# KiCad board kikit_panel.kicad_pcb (continued)
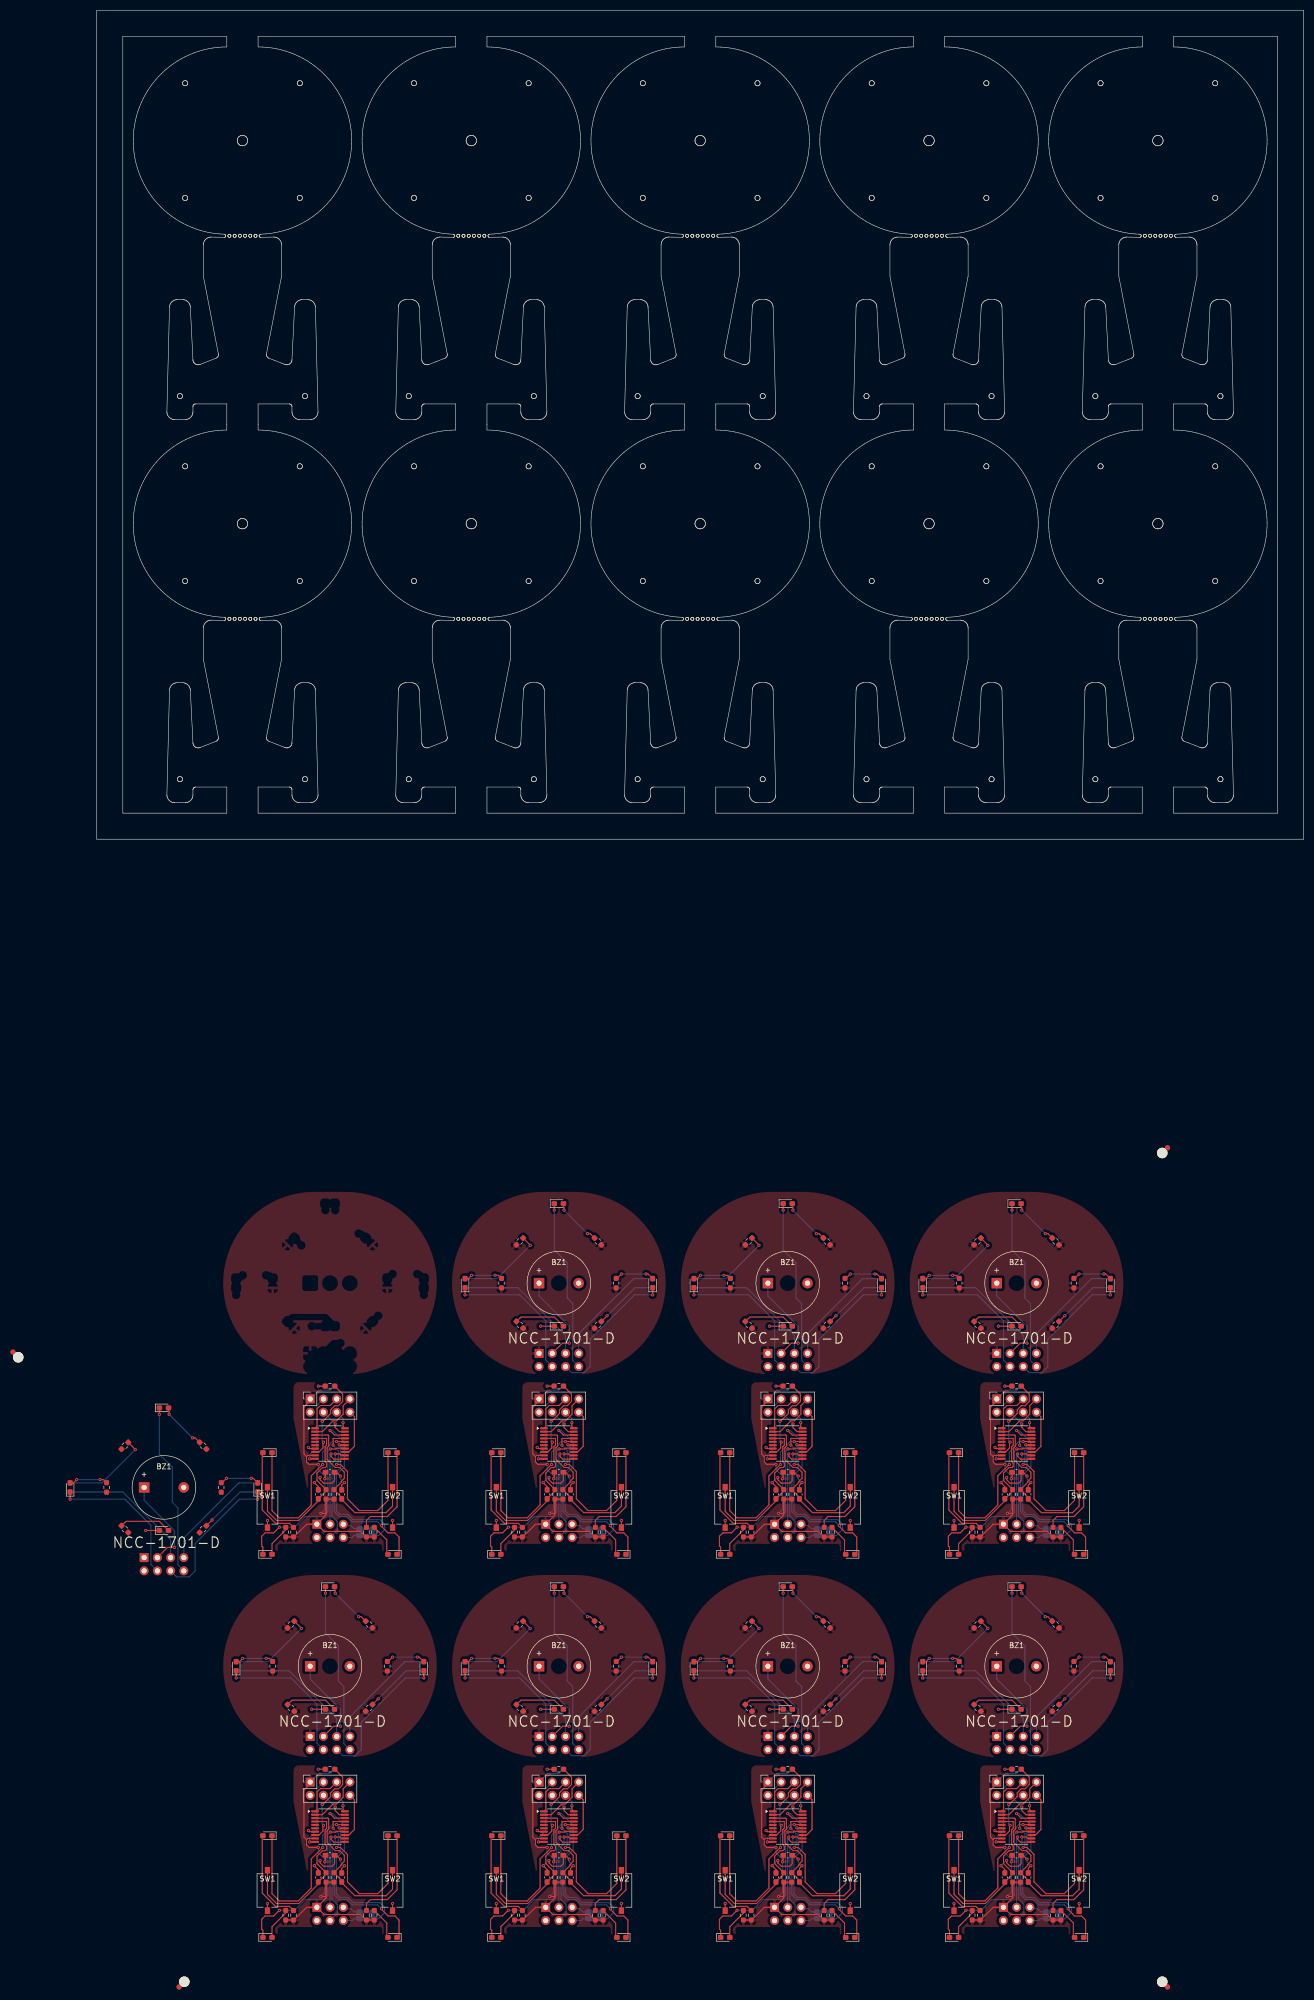
[diagram p0: board, top side]
## Placement (name value [footprint] x y rotation side) (continued)
R9  10k  [R_0603_1608Metric_Pad0.98x0.95mm_HandSolder]  44 -199.09 90 top
R9#2  10k  [R_0603_1608Metric_Pad0.98x0.95mm_HandSolder]  131.83 -199.09 90 top
R9#3  10k  [R_0603_1608Metric_Pad0.98x0.95mm_HandSolder]  87.92 -199.09 90 top
R9#4  10k  [R_0603_1608Metric_Pad0.98x0.95mm_HandSolder]  44 -125.63 90 top
R9#5  10k  [R_0603_1608Metric_Pad0.98x0.95mm_HandSolder]  175.74 -199.09 90 top
R9#6  10k  [R_0603_1608Metric_Pad0.98x0.95mm_HandSolder]  131.83 -125.63 90 top
R9#7  10k  [R_0603_1608Metric_Pad0.98x0.95mm_HandSolder]  87.92 -125.63 90 top
R9#8  10k  [R_0603_1608Metric_Pad0.98x0.95mm_HandSolder]  175.74 -125.63 90 top
R10  330  [R_0603_1608Metric_Pad0.98x0.95mm_HandSolder]  33.75 -158.59 90 top
R10#2  330  [R_0603_1608Metric_Pad0.98x0.95mm_HandSolder]  1.89 -124.3 90 top
R10#3  330  [R_0603_1608Metric_Pad0.98x0.95mm_HandSolder]  121.58 -85.13 90 top
R10#4  330  [R_0603_1608Metric_Pad0.98x0.95mm_HandSolder]  165.49 -85.13 90 top
R10#5  330  [R_0603_1608Metric_Pad0.98x0.95mm_HandSolder]  165.49 -158.59 90 top
R10#6  330  [R_0603_1608Metric_Pad0.98x0.95mm_HandSolder]  77.67 -85.13 90 top
R10#7  330  [R_0603_1608Metric_Pad0.98x0.95mm_HandSolder]  77.67 -158.59 90 top
R10#8  330  [R_0603_1608Metric_Pad0.98x0.95mm_HandSolder]  121.58 -158.59 90 top
R11  330  [R_0603_1608Metric_Pad0.98x0.95mm_HandSolder]  99.67 -158.59 90 top
R11#2  330  [R_0603_1608Metric_Pad0.98x0.95mm_HandSolder]  99.67 -85.13 90 top
R11#3  330  [R_0603_1608Metric_Pad0.98x0.95mm_HandSolder]  187.49 -85.13 90 top
R11#4  330  [R_0603_1608Metric_Pad0.98x0.95mm_HandSolder]  55.75 -158.59 90 top
R11#5  330  [R_0603_1608Metric_Pad0.98x0.95mm_HandSolder]  143.58 -85.13 90 top
R11#6  330  [R_0603_1608Metric_Pad0.98x0.95mm_HandSolder]  187.49 -158.59 90 top
R11#7  330  [R_0603_1608Metric_Pad0.98x0.95mm_HandSolder]  143.58 -158.59 90 top
R11#8  330  [R_0603_1608Metric_Pad0.98x0.95mm_HandSolder]  23.89 -124.3 90 top
R12  330  [R_0603_1608Metric_Pad0.98x0.95mm_HandSolder]  168.99 -77.13 45 top
R12#2  330  [R_0603_1608Metric_Pad0.98x0.95mm_HandSolder]  168.99 -150.59 45 top
R12#3  330  [R_0603_1608Metric_Pad0.98x0.95mm_HandSolder]  81.17 -150.59 45 top
R12#4  330  [R_0603_1608Metric_Pad0.98x0.95mm_HandSolder]  37.25 -150.59 45 top
R12#5  330  [R_0603_1608Metric_Pad0.98x0.95mm_HandSolder]  5.39 -116.3 45 top
R12#6  330  [R_0603_1608Metric_Pad0.98x0.95mm_HandSolder]  125.08 -77.13 45 top
R12#7  330  [R_0603_1608Metric_Pad0.98x0.95mm_HandSolder]  81.17 -77.13 45 top
R12#8  330  [R_0603_1608Metric_Pad0.98x0.95mm_HandSolder]  125.08 -150.59 45 top
R13  330  [R_0603_1608Metric_Pad0.98x0.95mm_HandSolder]  140.08 -93.13 45 top
R13#2  330  [R_0603_1608Metric_Pad0.98x0.95mm_HandSolder]  183.99 -166.59 45 top
R13#3  330  [R_0603_1608Metric_Pad0.98x0.95mm_HandSolder]  96.17 -93.13 45 top
R13#4  330  [R_0603_1608Metric_Pad0.98x0.95mm_HandSolder]  52.25 -166.59 45 top
R13#5  330  [R_0603_1608Metric_Pad0.98x0.95mm_HandSolder]  183.99 -93.13 45 top
R13#6  330  [R_0603_1608Metric_Pad0.98x0.95mm_HandSolder]  140.08 -166.59 45 top
R13#7  330  [R_0603_1608Metric_Pad0.98x0.95mm_HandSolder]  20.39 -132.3 45 top
R13#8  330  [R_0603_1608Metric_Pad0.98x0.95mm_HandSolder]  96.17 -166.59 45 top
SW1  SW_Push  [SW_Tactile_SPST_NO_Straight_CK_PTS636Sx25SMTRLFS]  164.49 -128.13 270 top
SW1#2  SW_Push  [SW_Tactile_SPST_NO_Straight_CK_PTS636Sx25SMTRLFS]  76.67 -128.13 270 top
SW1#3  SW_Push  [SW_Tactile_SPST_NO_Straight_CK_PTS636Sx25SMTRLFS]  76.67 -201.59 270 top
SW1#4  SW_Push  [SW_Tactile_SPST_NO_Straight_CK_PTS636Sx25SMTRLFS]  120.58 -201.59 270 top
SW1#5  SW_Push  [SW_Tactile_SPST_NO_Straight_CK_PTS636Sx25SMTRLFS]  32.75 -128.13 270 top
SW1#6  SW_Push  [SW_Tactile_SPST_NO_Straight_CK_PTS636Sx25SMTRLFS]  120.58 -128.13 270 top
SW1#7  SW_Push  [SW_Tactile_SPST_NO_Straight_CK_PTS636Sx25SMTRLFS]  32.75 -201.59 270 top
SW1#8  SW_Push  [SW_Tactile_SPST_NO_Straight_CK_PTS636Sx25SMTRLFS]  164.49 -201.59 270 top
SW2  SW_Push  [SW_Tactile_SPST_NO_Straight_CK_PTS636Sx25SMTRLFS]  100.67 -128.13 270 top
SW2#2  SW_Push  [SW_Tactile_SPST_NO_Straight_CK_PTS636Sx25SMTRLFS]  144.58 -201.59 270 top
SW2#3  SW_Push  [SW_Tactile_SPST_NO_Straight_CK_PTS636Sx25SMTRLFS]  56.75 -201.59 270 top
SW2#4  SW_Push  [SW_Tactile_SPST_NO_Straight_CK_PTS636Sx25SMTRLFS]  188.49 -201.59 270 top
SW2#5  SW_Push  [SW_Tactile_SPST_NO_Straight_CK_PTS636Sx25SMTRLFS]  56.75 -128.13 270 top
SW2#6  SW_Push  [SW_Tactile_SPST_NO_Straight_CK_PTS636Sx25SMTRLFS]  100.67 -201.59 270 top
SW2#7  SW_Push  [SW_Tactile_SPST_NO_Straight_CK_PTS636Sx25SMTRLFS]  188.49 -128.13 270 top
SW2#8  SW_Push  [SW_Tactile_SPST_NO_Straight_CK_PTS636Sx25SMTRLFS]  144.58 -128.13 270 top
U1  CH32V003FxPx  [TSSOP-20_4.4x6.5mm_P0.65mm]  176.49 -189.34 0 top
U1#2  CH32V003FxPx  [TSSOP-20_4.4x6.5mm_P0.65mm]  88.67 -115.88 0 top
U1#3  CH32V003FxPx  [TSSOP-20_4.4x6.5mm_P0.65mm]  88.67 -189.34 0 top
U1#4  CH32V003FxPx  [TSSOP-20_4.4x6.5mm_P0.65mm]  176.49 -115.88 0 top
U1#5  CH32V003FxPx  [TSSOP-20_4.4x6.5mm_P0.65mm]  44.75 -115.88 0 top
U1#6  CH32V003FxPx  [TSSOP-20_4.4x6.5mm_P0.65mm]  132.58 -189.34 0 top
U1#7  CH32V003FxPx  [TSSOP-20_4.4x6.5mm_P0.65mm]  44.75 -189.34 0 top
U1#8  CH32V003FxPx  [TSSOP-20_4.4x6.5mm_P0.65mm]  132.58 -115.88 0 top

## Library data of the parts
BZ1 BZ1#2-BZ1#8 = -: Description: Buzzer, polarized
C1 C1#2-C1#8 C2 C2#2-C2#8 C3 C3#2-C3#8 = -: Description: Unpolarized capacitor
D1 D1#2-D1#8 D2 D2#2-D2#8 D3 D3#2-D3#8 D4 D4#2-D4#8 D5 D5#2-D5#8 D6 D6#2-D6#8 D7 D7#2-D7#8 D8 D8#2-D8#8 D9 D9#2-D9#8 D10 D10#2-D10#8 D11 D11#2-D11#8 = -: Description: Light emitting diode
J1 J1#2-J1#8 J4 J4#2-J4#8 = -: Description: Generic connector, double row, 02x04, odd/even pin numbering scheme (row 1 odd numbers, row 2 even numbers), script generated (kicad-library-utils/schlib/autogen/connector/)
J3 J3#2-J3#8 = -: Description: Generic connector, single row, 01x02, script generated
J5 J5#2-J5#8 = -: Description: Generic connector, double row, 02x03, odd/even pin numbering scheme (row 1 odd numbers, row 2 even numbers), script generated (kicad-library-utils/schlib/autogen/connector/)
JP1 JP1#2-JP1#8 = -: Description: Jumper, 2-pole, closed/bridged
R1 R1#2-R1#8 R2 R2#2-R2#8 R3 R3#2-R3#8 R4 R4#2-R4#8 R5 R5#2-R5#8 R6 R6#2-R6#8 R7 R7#2-R7#8 R8 R8#2-R8#8 R9 R9#2-R9#8 R10 R10#2-R10#8 R11 R11#2-R11#8 R12 R12#2-R12#8 R13 R13#2-R13#8 = -: Description: Resistor
SW1 SW1#2-SW1#8 SW2 SW2#2-SW2#8 = -: Description: Push button switch, generic, two pins
U1 U1#2-U1#8 = -: Datasheet: https://www.wch-ic.com/products/CH32V003.html; Description: CH32V003 series are industrial-grade general-purpose microcontrollers designed based on 32-bit RISC-V instruction set and architecture. It adopts QingKe V2A core, RV32EC instruction set, and supports 2 levels of interrupt nesting. The series are mounted with rich peripheral interfaces and function modules. Its internal organizational structure meets the low-cost and low-power embedded application scenarios.

## Footprints (pads in the part's own frame, mm; a bottom-side part is the same pattern mirrored in y, then rotated)
Buzzer_12x9.5RM7.6
  rect 2x2 hole 1: 1(0,0)
  round 2 hole 1: 2(7.6,0)
C_0603_1608Metric_Pad1.08x0.95mm_HandSolder
  rrect 1.075x0.95 smd: 1(-0.863,0) 2(0.863,0)
Fiducial
  round 1 smd: (0,0)
LED_0603_1608Metric_Pad1.05x0.95mm_HandSolder
  rrect 1.05x0.95 smd: 1(-0.875,0) 2(0.875,0)
NPTH
  round 2 hole 2 unplated: (0,0)
PinHeader_2x03_P2.54mm_Vertical
  rect 1.7x1.7 hole 1: 1(0,0)
  oval 1.7x1.7 hole 1: 2(2.54,0) 3(0,-2.54) 4(2.54,-2.54) 5(0,-5.08) 6(2.54,-5.08)
PinHeader_2x04_P2.54mm_Vertical
  rect 1.7x1.7 hole 1: 1(0,0)
  oval 1.7x1.7 hole 1: 2(2.54,0) 3(0,-2.54) 4(2.54,-2.54) 5(0,-5.08) 6(2.54,-5.08) 7(0,-7.62) 8(2.54,-7.62)
PinSocket_2x04_P2.54mm_Vertical
  rect 1.7x1.7 hole 1: 1(0,0)
  oval 1.7x1.7 hole 1: 2(-2.54,0) 3(0,-2.54) 4(-2.54,-2.54) 5(0,-5.08) 6(-2.54,-5.08) 7(0,-7.62) 8(-2.54,-7.62)
R_0603_1608Metric_Pad0.98x0.95mm_HandSolder
  rrect 0.975x0.95 smd: 1(-0.912,0) 2(0.912,0)
SolderJumper-2_P1.3mm_Bridged_RoundedPad1.0x1.5mm
  custom 1x1.5 smd: 1(-0.65,0) 2(0.65,0)
SolderJumper-2_P1.3mm_Open_RoundedPad1.0x1.5mm
  custom 1x1.5 smd: 1(-0.65,0) 2(0.65,0)
SW_Tactile_SPST_NO_Straight_CK_PTS636Sx25SMTRLFS
  rect 1.25x1 smd: 1(-3.875,0) 2(3.875,0)
TSSOP-20_4.4x6.5mm_P0.65mm
  rrect 1.475x0.4 smd: 1(-2.862,2.925) 2(-2.862,2.275) 3(-2.862,1.625) 4(-2.862,0.975) 5(-2.862,0.325) 6(-2.862,-0.325) 7(-2.862,-0.975) 8(-2.862,-1.625) 9(-2.862,-2.275) 10(-2.862,-2.925) 11(2.862,-2.925) 12(2.862,-2.275) 13(2.862,-1.625) 14(2.862,-0.975) 15(2.862,-0.325) 16(2.862,0.325) 17(2.862,0.975) 18(2.862,1.625) 19(2.862,2.275) 20(2.862,2.925)

## Nets
Board_0-/blue gondeln left: D4#6.1 U1#5.14
Board_0-/blue gondeln right: D3#3.1 U1#5.15
Board_0-/blue_front: D5.1 J1#2.8 J4.8 U1#5.13
Board_0-/buzzer: BZ1#8.1 J1#2.3 J4.3 U1#5.10
Board_0-/GPIO1: J3#7.2 J5#2.5 JP1.1
Board_0-/GPIO2: J3#7.1 J5#2.6
Board_0-/LED dish bottom l: D10#3.1 J1#2.5 J4.5 U1#5.1
Board_0-/LED dish bottom r: D11#5.1 J1#2.7 J4.7 U1#5.2
Board_0-/LED dish top left: D8#4.1 J1#2.4 J4.4 U1#5.19
Board_0-/LED dish top right: D9#7.1 J1#2.6 J4.6 U1#5.20
Board_0-/red_gondeln_left: D6#8.1 U1#5.16
Board_0-/red_gondeln_right: D7#4.1 U1#5.17
Board_0-/SCL: J5#2.4 U1#5.12
Board_0-/SDA: J5#2.3 U1#5.11
Board_0-/sw1: C1#3.1 R9#4.2 SW1#5.1 U1#5.4
Board_0-/sw2: C2#3.1 R8#5.2 SW2#5.1 U1#5.3
Board_0-GND: BZ1#8.2 C1#3.2 C2#3.2 C3#5.2 D1.1 J1#2.2 J4.2 J5#2.2 SW1#5.2 SW2#5.2 U1#5.7
Board_0-Net-(D1-A): D1.2 R1#7.2
Board_0-Net-(D2-K): D2#8.1 R2#4.1
Board_0-Net-(D3-A): D3#3.2 R3#3.2
Board_0-Net-(D4-A): D4#6.2 R4#6.2
Board_0-Net-(D5-A): D5.2 R5#4.2
Board_0-Net-(D6-A): D6#8.2 R6#8.2
Board_0-Net-(D7-A): D7#4.2 R7#5.2
Board_0-Net-(D8-A): D8#4.2 R10#2.2
Board_0-Net-(D9-A): D9#7.2 R11#8.2
Board_0-Net-(D10-A): D10#3.2 R12#5.2
Board_0-Net-(D11-A): D11#5.2 R13#7.2
Board_0-Net-(JP1-B): JP1.2 U1#5.18
Board_0-Net-(U1-PD0): R2#4.2 U1#5.8
Board_0-unconnected-(U1-PA1-Pad5): U1#5.5
Board_0-unconnected-(U1-PA2-Pad6): U1#5.6
Board_0-VCC: C3#5.1 D2#8.2 J1#2.1 J4.1 J5#2.1 R1#7.1 R3#3.1 R4#6.1 R5#4.1 R6#8.1 R7#5.1 R8#5.1 R9#4.1 R10#2.1 R11#8.1 R12#5.1 R13#7.1 U1#5.9
Board_1-/blue gondeln left: D4#5.1 U1#2.14
Board_1-/blue gondeln right: D3#7.1 U1#2.15
Board_1-/blue_front: D5#2.1 J1#7.8 J4#2.8 U1#2.13
Board_1-/buzzer: BZ1#3.1 J1#7.3 J4#2.3 U1#2.10
Board_1-/GPIO1: J3#2.2 J5#6.5 JP1#3.1
Board_1-/GPIO2: J3#2.1 J5#6.6
Board_1-/LED dish bottom l: D10#5.1 J1#7.5 J4#2.5 U1#2.1
Board_1-/LED dish bottom r: D11#6.1 J1#7.7 J4#2.7 U1#2.2
Board_1-/LED dish top left: D8#5.1 J1#7.4 J4#2.4 U1#2.19
Board_1-/LED dish top right: D9.1 J1#7.6 J4#2.6 U1#2.20
Board_1-/red_gondeln_left: D6#5.1 U1#2.16
Board_1-/red_gondeln_right: D7.1 U1#2.17
Board_1-/SCL: J5#6.4 U1#2.12
Board_1-/SDA: J5#6.3 U1#2.11
Board_1-/sw1: C1#7.1 R9#7.2 SW1#2.1 U1#2.4
Board_1-/sw2: C2.1 R8#6.2 SW2.1 U1#2.3
Board_1-GND: BZ1#3.2 C1#7.2 C2.2 C3#2.2 D1#7.1 J1#7.2 J4#2.2 J5#6.2 SW1#2.2 SW2.2 U1#2.7
Board_1-Net-(D1-A): D1#7.2 R1.2
Board_1-Net-(D2-K): D2#2.1 R2#3.1
Board_1-Net-(D3-A): D3#7.2 R3#7.2
Board_1-Net-(D4-A): D4#5.2 R4#5.2
Board_1-Net-(D5-A): D5#2.2 R5#7.2
Board_1-Net-(D6-A): D6#5.2 R6#6.2
Board_1-Net-(D7-A): D7.2 R7#4.2
Board_1-Net-(D8-A): D8#5.2 R10#6.2
Board_1-Net-(D9-A): D9.2 R11#2.2
Board_1-Net-(D10-A): D10#5.2 R12#7.2
Board_1-Net-(D11-A): D11#6.2 R13#3.2
Board_1-Net-(JP1-B): JP1#3.2 U1#2.18
Board_1-Net-(U1-PD0): R2#3.2 U1#2.8
Board_1-unconnected-(U1-PA1-Pad5): U1#2.5
Board_1-unconnected-(U1-PA2-Pad6): U1#2.6
Board_1-VCC: C3#2.1 D2#2.2 J1#7.1 J4#2.1 J5#6.1 R1.1 R3#7.1 R4#5.1 R5#7.1 R6#6.1 R7#4.1 R8#6.1 R9#7.1 R10#6.1 R11#2.1 R12#7.1 R13#3.1 U1#2.9
Board_2-/blue gondeln left: D4#7.1 U1#8.14
Board_2-/blue gondeln right: D3#2.1 U1#8.15
Board_2-/blue_front: D5#4.1 J1.8 J4#5.8 U1#8.13
Board_2-/buzzer: BZ1#7.1 J1.3 J4#5.3 U1#8.10
Board_2-/GPIO1: J3#8.2 J5#3.5 JP1#4.1
Board_2-/GPIO2: J3#8.1 J5#3.6
Board_2-/LED dish bottom l: D10.1 J1.5 J4#5.5 U1#8.1
Board_2-/LED dish bottom r: D11#3.1 J1.7 J4#5.7 U1#8.2
Board_2-/LED dish top left: D8#2.1 J1.4 J4#5.4 U1#8.19
Board_2-/LED dish top right: D9#6.1 J1.6 J4#5.6 U1#8.20
Board_2-/red_gondeln_left: D6#3.1 U1#8.16
Board_2-/red_gondeln_right: D7#6.1 U1#8.17
Board_2-/SCL: J5#3.4 U1#8.12
Board_2-/SDA: J5#3.3 U1#8.11
Board_2-/sw1: C1#4.1 R9#6.2 SW1#6.1 U1#8.4
Board_2-/sw2: C2#5.1 R8#2.2 SW2#8.1 U1#8.3
Board_2-GND: BZ1#7.2 C1#4.2 C2#5.2 C3#6.2 D1#8.1 J1.2 J4#5.2 J5#3.2 SW1#6.2 SW2#8.2 U1#8.7
Board_2-Net-(D1-A): D1#8.2 R1#5.2
Board_2-Net-(D2-K): D2#3.1 R2#8.1
Board_2-Net-(D3-A): D3#2.2 R3.2
Board_2-Net-(D4-A): D4#7.2 R4#2.2
Board_2-Net-(D5-A): D5#4.2 R5#5.2
Board_2-Net-(D6-A): D6#3.2 R6.2
Board_2-Net-(D7-A): D7#6.2 R7#7.2
Board_2-Net-(D8-A): D8#2.2 R10#3.2
Board_2-Net-(D9-A): D9#6.2 R11#5.2
Board_2-Net-(D10-A): D10.2 R12#6.2
Board_2-Net-(D11-A): D11#3.2 R13.2
Board_2-Net-(JP1-B): JP1#4.2 U1#8.18
Board_2-Net-(U1-PD0): R2#8.2 U1#8.8
Board_2-unconnected-(U1-PA1-Pad5): U1#8.5
Board_2-unconnected-(U1-PA2-Pad6): U1#8.6
Board_2-VCC: C3#6.1 D2#3.2 J1.1 J4#5.1 J5#3.1 R1#5.1 R3.1 R4#2.1 R5#5.1 R6.1 R7#7.1 R8#2.1 R9#6.1 R10#3.1 R11#5.1 R12#6.1 R13.1 U1#8.9
Board_3-/blue gondeln left: D4#2.1 U1#4.14
Board_3-/blue gondeln right: D3#8.1 U1#4.15
Board_3-/blue_front: D5#6.1 J1#8.8 J4#6.8 U1#4.13
Board_3-/buzzer: BZ1#6.1 J1#8.3 J4#6.3 U1#4.10
Board_3-/GPIO1: J3#5.2 J5#7.5 JP1#7.1
Board_3-/GPIO2: J3#5.1 J5#7.6
Board_3-/LED dish bottom l: D10#2.1 J1#8.5 J4#6.5 U1#4.1
Board_3-/LED dish bottom r: D11.1 J1#8.7 J4#6.7 U1#4.2
Board_3-/LED dish top left: D8#7.1 J1#8.4 J4#6.4 U1#4.19
Board_3-/LED dish top right: D9#3.1 J1#8.6 J4#6.6 U1#4.20
Board_3-/red_gondeln_left: D6#2.1 U1#4.16
Board_3-/red_gondeln_right: D7#5.1 U1#4.17
Board_3-/SCL: J5#7.4 U1#4.12
Board_3-/SDA: J5#7.3 U1#4.11
Board_3-/sw1: C1.1 R9#8.2 SW1.1 U1#4.4
Board_3-/sw2: C2#4.1 R8#8.2 SW2#7.1 U1#4.3
Board_3-GND: BZ1#6.2 C1.2 C2#4.2 C3#3.2 D1#5.1 J1#8.2 J4#6.2 J5#7.2 SW1.2 SW2#7.2 U1#4.7
Board_3-Net-(D1-A): D1#5.2 R1#8.2
Board_3-Net-(D2-K): D2#4.1 R2#5.1
Board_3-Net-(D3-A): D3#8.2 R3#5.2
Board_3-Net-(D4-A): D4#2.2 R4#7.2
Board_3-Net-(D5-A): D5#6.2 R5#6.2
Board_3-Net-(D6-A): D6#2.2 R6#5.2
Board_3-Net-(D7-A): D7#5.2 R7#2.2
Board_3-Net-(D8-A): D8#7.2 R10#4.2
Board_3-Net-(D9-A): D9#3.2 R11#3.2
Board_3-Net-(D10-A): D10#2.2 R12.2
Board_3-Net-(D11-A): D11.2 R13#5.2
Board_3-Net-(JP1-B): JP1#7.2 U1#4.18
Board_3-Net-(U1-PD0): R2#5.2 U1#4.8
Board_3-unconnected-(U1-PA1-Pad5): U1#4.5
Board_3-unconnected-(U1-PA2-Pad6): U1#4.6
Board_3-VCC: C3#3.1 D2#4.2 J1#8.1 J4#6.1 J5#7.1 R1#8.1 R3#5.1 R4#7.1 R5#6.1 R6#5.1 R7#2.1 R8#8.1 R9#8.1 R10#4.1 R11#3.1 R12.1 R13#5.1 U1#4.9
Board_4-/blue gondeln left: D4#4.1 U1#7.14
Board_4-/blue gondeln right: D3#5.1 U1#7.15
Board_4-/blue_front: D5#3.1 J1#5.8 J4#7.8 U1#7.13
Board_4-/buzzer: BZ1#5.1 J1#5.3 J4#7.3 U1#7.10
Board_4-/GPIO1: J3#6.2 J5#4.5 JP1#8.1
Board_4-/GPIO2: J3#6.1 J5#4.6
Board_4-/LED dish bottom l: D10#8.1 J1#5.5 J4#7.5 U1#7.1
Board_4-/LED dish bottom r: D11#7.1 J1#5.7 J4#7.7 U1#7.2
Board_4-/LED dish top left: D8#6.1 J1#5.4 J4#7.4 U1#7.19
Board_4-/LED dish top right: D9#8.1 J1#5.6 J4#7.6 U1#7.20
Board_4-/red_gondeln_left: D6#7.1 U1#7.16
Board_4-/red_gondeln_right: D7#2.1 U1#7.17
Board_4-/SCL: J5#4.4 U1#7.12
Board_4-/SDA: J5#4.3 U1#7.11
Board_4-/sw1: C1#2.1 R9.2 SW1#7.1 U1#7.4
Board_4-/sw2: C2#2.1 R8.2 SW2#3.1 U1#7.3
Board_4-GND: BZ1#5.2 C1#2.2 C2#2.2 C3#7.2 D1#3.1 J1#5.2 J4#7.2 J5#4.2 SW1#7.2 SW2#3.2 U1#7.7
Board_4-Net-(D1-A): D1#3.2 R1#6.2
Board_4-Net-(D2-K): D2#7.1 R2.1
Board_4-Net-(D3-A): D3#5.2 R3#2.2
Board_4-Net-(D4-A): D4#4.2 R4#3.2
Board_4-Net-(D5-A): D5#3.2 R5.2
Board_4-Net-(D6-A): D6#7.2 R6#2.2
Board_4-Net-(D7-A): D7#2.2 R7#3.2
Board_4-Net-(D8-A): D8#6.2 R10.2
Board_4-Net-(D9-A): D9#8.2 R11#4.2
Board_4-Net-(D10-A): D10#8.2 R12#4.2
Board_4-Net-(D11-A): D11#7.2 R13#4.2
Board_4-Net-(JP1-B): JP1#8.2 U1#7.18
Board_4-Net-(U1-PD0): R2.2 U1#7.8
Board_4-unconnected-(U1-PA1-Pad5): U1#7.5
Board_4-unconnected-(U1-PA2-Pad6): U1#7.6
Board_4-VCC: C3#7.1 D2#7.2 J1#5.1 J4#7.1 J5#4.1 R1#6.1 R3#2.1 R4#3.1 R5.1 R6#2.1 R7#3.1 R8.1 R9.1 R10.1 R11#4.1 R12#4.1 R13#4.1 U1#7.9
Board_5-/blue gondeln left: D4#3.1 U1#3.14
Board_5-/blue gondeln right: D3.1 U1#3.15
Board_5-/blue_front: D5#5.1 J1#3.8 J4#8.8 U1#3.13
Board_5-/buzzer: BZ1.1 J1#3.3 J4#8.3 U1#3.10
Board_5-/GPIO1: J3#3.2 J5#8.5 JP1#6.1
Board_5-/GPIO2: J3#3.1 J5#8.6
Board_5-/LED dish bottom l: D10#4.1 J1#3.5 J4#8.5 U1#3.1
Board_5-/LED dish bottom r: D11#4.1 J1#3.7 J4#8.7 U1#3.2
Board_5-/LED dish top left: D8#8.1 J1#3.4 J4#8.4 U1#3.19
Board_5-/LED dish top right: D9#4.1 J1#3.6 J4#8.6 U1#3.20
Board_5-/red_gondeln_left: D6#6.1 U1#3.16
Board_5-/red_gondeln_right: D7#8.1 U1#3.17
Board_5-/SCL: J5#8.4 U1#3.12
Board_5-/SDA: J5#8.3 U1#3.11
Board_5-/sw1: C1#6.1 R9#3.2 SW1#3.1 U1#3.4
Board_5-/sw2: C2#7.1 R8#4.2 SW2#6.1 U1#3.3
Board_5-GND: BZ1.2 C1#6.2 C2#7.2 C3#8.2 D1#4.1 J1#3.2 J4#8.2 J5#8.2 SW1#3.2 SW2#6.2 U1#3.7
Board_5-Net-(D1-A): D1#4.2 R1#4.2
Board_5-Net-(D2-K): D2#6.1 R2#6.1
Board_5-Net-(D3-A): D3.2 R3#4.2
Board_5-Net-(D4-A): D4#3.2 R4.2
Board_5-Net-(D5-A): D5#5.2 R5#3.2
Board_5-Net-(D6-A): D6#6.2 R6#7.2
Board_5-Net-(D7-A): D7#8.2 R7#6.2
Board_5-Net-(D8-A): D8#8.2 R10#7.2
Board_5-Net-(D9-A): D9#4.2 R11.2
Board_5-Net-(D10-A): D10#4.2 R12#3.2
Board_5-Net-(D11-A): D11#4.2 R13#8.2
Board_5-Net-(JP1-B): JP1#6.2 U1#3.18
Board_5-Net-(U1-PD0): R2#6.2 U1#3.8
Board_5-unconnected-(U1-PA1-Pad5): U1#3.5
Board_5-unconnected-(U1-PA2-Pad6): U1#3.6
Board_5-VCC: C3#8.1 D2#6.2 J1#3.1 J4#8.1 J5#8.1 R1#4.1 R3#4.1 R4.1 R5#3.1 R6#7.1 R7#6.1 R8#4.1 R9#3.1 R10#7.1 R11.1 R12#3.1 R13#8.1 U1#3.9
Board_6-/blue gondeln left: D4.1 U1#6.14
Board_6-/blue gondeln right: D3#4.1 U1#6.15
Board_6-/blue_front: D5#7.1 J1#6.8 J4#3.8 U1#6.13
Board_6-/buzzer: BZ1#2.1 J1#6.3 J4#3.3 U1#6.10
Board_6-/GPIO1: J3.2 J5.5 JP1#2.1
Board_6-/GPIO2: J3.1 J5.6
Board_6-/LED dish bottom l: D10#6.1 J1#6.5 J4#3.5 U1#6.1
Board_6-/LED dish bottom r: D11#8.1 J1#6.7 J4#3.7 U1#6.2
Board_6-/LED dish top left: D8#3.1 J1#6.4 J4#3.4 U1#6.19
Board_6-/LED dish top right: D9#2.1 J1#6.6 J4#3.6 U1#6.20
Board_6-/red_gondeln_left: D6#4.1 U1#6.16
Board_6-/red_gondeln_right: D7#7.1 U1#6.17
Board_6-/SCL: J5.4 U1#6.12
Board_6-/SDA: J5.3 U1#6.11
Board_6-/sw1: C1#5.1 R9#2.2 SW1#4.1 U1#6.4
Board_6-/sw2: C2#6.1 R8#3.2 SW2#2.1 U1#6.3
Board_6-GND: BZ1#2.2 C1#5.2 C2#6.2 C3#4.2 D1#6.1 J1#6.2 J4#3.2 J5.2 SW1#4.2 SW2#2.2 U1#6.7
Board_6-Net-(D1-A): D1#6.2 R1#3.2
Board_6-Net-(D2-K): D2.1 R2#2.1
Board_6-Net-(D3-A): D3#4.2 R3#6.2
Board_6-Net-(D4-A): D4.2 R4#8.2
Board_6-Net-(D5-A): D5#7.2 R5#2.2
Board_6-Net-(D6-A): D6#4.2 R6#3.2
Board_6-Net-(D7-A): D7#7.2 R7#8.2
Board_6-Net-(D8-A): D8#3.2 R10#8.2
Board_6-Net-(D9-A): D9#2.2 R11#7.2
Board_6-Net-(D10-A): D10#6.2 R12#8.2
Board_6-Net-(D11-A): D11#8.2 R13#6.2
Board_6-Net-(JP1-B): JP1#2.2 U1#6.18
Board_6-Net-(U1-PD0): R2#2.2 U1#6.8
Board_6-unconnected-(U1-PA1-Pad5): U1#6.5
Board_6-unconnected-(U1-PA2-Pad6): U1#6.6
Board_6-VCC: C3#4.1 D2.2 J1#6.1 J4#3.1 J5.1 R1#3.1 R3#6.1 R4#8.1 R5#2.1 R6#3.1 R7#8.1 R8#3.1 R9#2.1 R10#8.1 R11#7.1 R12#8.1 R13#6.1 U1#6.9
Board_7-/blue gondeln left: D4#8.1 U1.14
Board_7-/blue gondeln right: D3#6.1 U1.15
Board_7-/blue_front: D5#8.1 J1#4.8 J4#4.8 U1.13
Board_7-/buzzer: BZ1#4.1 J1#4.3 J4#4.3 U1.10
Board_7-/GPIO1: J3#4.2 J5#5.5 JP1#5.1
Board_7-/GPIO2: J3#4.1 J5#5.6
Board_7-/LED dish bottom l: D10#7.1 J1#4.5 J4#4.5 U1.1
Board_7-/LED dish bottom r: D11#2.1 J1#4.7 J4#4.7 U1.2
Board_7-/LED dish top left: D8.1 J1#4.4 J4#4.4 U1.19
Board_7-/LED dish top right: D9#5.1 J1#4.6 J4#4.6 U1.20
Board_7-/red_gondeln_left: D6.1 U1.16
Board_7-/red_gondeln_right: D7#3.1 U1.17
Board_7-/SCL: J5#5.4 U1.12
Board_7-/SDA: J5#5.3 U1.11
Board_7-/sw1: C1#8.1 R9#5.2 SW1#8.1 U1.4
Board_7-/sw2: C2#8.1 R8#7.2 SW2#4.1 U1.3
Board_7-GND: BZ1#4.2 C1#8.2 C2#8.2 C3.2 D1#2.1 J1#4.2 J4#4.2 J5#5.2 SW1#8.2 SW2#4.2 U1.7
Board_7-Net-(D1-A): D1#2.2 R1#2.2
Board_7-Net-(D2-K): D2#5.1 R2#7.1
Board_7-Net-(D3-A): D3#6.2 R3#8.2
Board_7-Net-(D4-A): D4#8.2 R4#4.2
Board_7-Net-(D5-A): D5#8.2 R5#8.2
Board_7-Net-(D6-A): D6.2 R6#4.2
Board_7-Net-(D7-A): D7#3.2 R7.2
Board_7-Net-(D8-A): D8.2 R10#5.2
Board_7-Net-(D9-A): D9#5.2 R11#6.2
Board_7-Net-(D10-A): D10#7.2 R12#2.2
Board_7-Net-(D11-A): D11#2.2 R13#2.2
Board_7-Net-(JP1-B): JP1#5.2 U1.18
Board_7-Net-(U1-PD0): R2#7.2 U1.8
Board_7-unconnected-(U1-PA1-Pad5): U1.5
Board_7-unconnected-(U1-PA2-Pad6): U1.6
Board_7-VCC: C3.1 D2#5.2 J1#4.1 J4#4.1 J5#5.1 R1#2.1 R3#8.1 R4#4.1 R5#8.1 R6#4.1 R7.1 R8#7.1 R9#5.1 R10#5.1 R11#6.1 R12#2.1 R13#2.1 U1.9

## Via types
v1: diameter 0.6, hole 0.3, Top to Bottom, 320 vias

## Routing (per net, layer and track width the routed paths; a pad name or vN(x,y) marks a point on that pad's centre or on a via; arc(x,y) is an arc through that point)
Board_0-/blue gondeln left: length 33.4
  Top w0.2: v1(44.8,-116.93) 45.85,-116.93 46,-116.78 47.54,-116.78 U1#5.14 ; D4#6.1 31.88,-135.76 31.65,-135.53 31.65,-133.66 32.3,-133.02 33.95,-133.02 v1(35.04,-131.92)
  Bottom w0.2: v1(35.04,-131.92) 37.96,-131.92 40,-129.88 43.5,-129.88 44.35,-129.03 44.35,-117.38 v1(44.8,-116.93)
Board_0-/blue gondeln right: length 32.6
  Top w0.2: v1(46.51,-116.12) 46.6,-116.21 U1#5.15 ; D3#3.1 58,-136.76 58,-133.81 57.21,-133.02 55.89,-133.02 54.65,-131.78 v1(54.65,-131.63)
  Bottom w0.2: v1(46.51,-116.12) 46.75,-116.36 46.75,-120.55 45.55,-121.75 45.55,-128.93 46.5,-129.88 48,-129.88 49,-130.88 53.9,-130.88 v1(54.65,-131.63)
Board_0-/blue_front: length 42.5
  Top w0.2: D5.1 12.01,-110.43 ; J4.8 49.42,-110.73 49.42,-116.44 48.35,-117.51 U1#5.13
  Bottom w0.2: J1#2.8 15.56,-139.15 15.56,-128.22 14.49,-127.15 14.49,-120.4 12.01,-117.93 v1(12.01,-110.3)
Board_0-/buzzer: length 31.6
  Top w0.2: J1#2.3 13.59,-135.8 v1(14.89,-135.8) ; v1(40.85,-118.81) 41.88,-118.81 U1#5.10
  Bottom w0.2: v1(40.85,-118.81) 40.85,-118.03 42.25,-116.63 42.25,-108.58 J4.3 ; BZ1#8.1 9.09,-126.75 14.89,-132.55 v1(14.89,-135.8)
Board_0-/GPIO1: length 5.3
  Bottom w0.2: J5#2.5 47.58,-131.63 48.75,-131.63 49.35,-132.23 49.75,-132.23 ; JP1.1 J3#7.2
Board_0-/GPIO2: length 3.1
  Top w0.2: 47.67,-133.53 J5#2.6
  Bottom w0.2: 49.75,-133.53 49.35,-133.53 48.99,-133.9 J5#2.6
Board_0-/LED dish bottom l: length 34.9
  Top w0.2: J4.5 44.78,-108.59 42.9,-108.59 42.25,-109.24 42.25,-112.59 U1#5.1
  Bottom w0.2: D10#3.1 5.01,-125.18 14.17,-134.33 J1#2.5
Board_0-/LED dish bottom r: length 32.6
  Top w0.2: J4.7 47.28,-108.63 47.28,-110.26 46.01,-111.53 45.35,-111.53 43.28,-113.61 U1#5.2
  Bottom w0.2: J1#2.7 16.71,-133.98 27.26,-123.43 D11#5.1
Board_0-/LED dish top left: length 34.3
  Top w0.2: v1(45.75,-112.13) 45.75,-112.81 46.55,-113.61 U1#5.19 ; D8#4.1 v1(-5.11,-126.55)
  Bottom w0.2: J4.4 43.5,-109.88 v1(45.75,-112.13) ; J1#2.4 10.38,-139.05 10.38,-131.54 5.39,-126.55 v1(-5.11,-126.55)
Board_0-/LED dish top right: length 32.1
  Top w0.2: U1#5.20 47.25,-112.59 v1(47.25,-111.88) ; 46.26,-110.39 46.26,-109.88 ; D9#7.1 v1(30.89,-126.55)
  Bottom w0.2: J4.6 47.25,-111.1 v1(47.25,-111.88) ; J1#2.6 15.32,-141.45 17.74,-141.45 18.89,-140.3 18.89,-135.05 27.39,-126.55 v1(30.89,-126.55)
Board_0-/red_gondeln_left: length 36.5
  Top w0.2: U1#5.16 47.57,-115.51 v1(46,-115.51) ; D6#8.1 33.63,-128.76 35,-130.13 38.69,-130.13 41.15,-127.67 41.15,-122.08 43.34,-119.9 v1(43.35,-119.9)
  Bottom w0.2: v1(46,-115.51) 45.19,-115.51 44.75,-115.95 44.75,-116.13 43.35,-117.53 v1(43.35,-119.9)
Board_0-/red_gondeln_right: length 35.9
  Top w0.2: v1(46,-119.88) 46.75,-119.88 48.1,-121.23 48.1,-126.48 50.36,-128.74 53.92,-128.74 55.88,-126.78 D7#4.1 ; 48.35,-114.91 U1#5.17 ; U1#5.17 45.35,-114.91 v1(45.35,-116.2) ; U1#5.17 46.88,-114.91
  Bottom w0.2: v1(46,-119.88) 46.35,-119.53 46.35,-117.2 v1(45.35,-116.2)
Board_0-/SCL: length 19.2
  Top w0.2: U1#5.12 46.88,-118.16 46.6,-117.88 v1(45.75,-117.88)
  Bottom w0.2: J5#2.4 46.16,-132.51 46.16,-130.88 45.15,-129.87 45.15,-119.74 45.75,-119.14 v1(45.75,-117.88)
Board_0-/SDA: length 17.6
  Top w0.2: U1#5.11 47.54,-118.88 45.5,-118.88 44.95,-118.34 v1(44.95,-117.88)
  Bottom w0.2: v1(44.95,-117.88) 44.75,-118.08 44.75,-131.34 J5#2.3 44.27,-130.86
Board_0-/sw1: length 33.5
  Top w0.2: SW1#5.1 32.75,-128.88 34.5,-130.63 38.75,-130.63 42.5,-126.88 C1#3.1 44,-124.99 R9#4.2 42.25,-122.97 42.25,-121.55 43.3,-120.5 43.89,-120.5 44.1,-120.28 44.1,-119.63 43.8,-119.33 43.8,-116.52 44.1,-116.22 44.1,-114.91 U1#5.4
Board_0-/sw2: length 33.3
  Top w0.2: U1#5.3 44.38,-114.26 44.5,-114.38 44.5,-116.38 44.2,-116.68 44.2,-118.93 45.75,-120.48 46.6,-120.48 47.5,-121.38 47.5,-122.53 46.9,-123.13 46.9,-123.32 R8#5.2 47,-126.22 C2#3.1 47,-126.63 49.51,-129.14 55.49,-129.14 56.75,-127.88 SW2#5.1
Board_0-GND: length 20.4
  Top w0.2: v1(56.75,-130.63) SW2#5.2 ; v1(42.85,-122.38) 42.85,-122.83 43.5,-123.48 45.15,-123.48 45.62,-123.02 C3#5.2 ; v1(40.6,-116.63) 40.83,-116.86 U1#5.7 ; C2#3.2 47,-123.88 v1(47.5,-123.38) ; D1.1 v1(9.39,-132.55) ; v1(41.75,-123.38) 42.5,-124.13 C1#3.2 ; 46,-121.77 C3#5.2 ; C3#5.2 46,-121.38 v1(46.75,-122.13) ; v1(32.75,-130.63) SW1#5.2
  Bottom w0.2: v1(42.85,-122.38) 42.75,-122.38 v1(41.75,-123.38) ; v1(47.5,-123.38) 46.75,-122.63 v1(46.75,-122.13)
Board_0-Net-(D1-A): length 10.1
  Top w0.2: D1.2 12.01,-130.8 5.64,-130.8 5.39,-131.05 5.35,-131.05 R1#7.2
Board_0-Net-(D2-K): length 2.7
  Top w0.2: R2#4.1 v1(42.5,-104.88)
  Bottom w0.2: v1(42.5,-104.88) D2#8.1
Board_0-Net-(D3-A): length 6.2
  Top w0.2: R3#3.2 55.65,-134.37 55.65,-136.9 D3#3.2
Board_0-Net-(D4-A): length 6.2
  Top w0.2: R4#6.2 36.25,-132.46 33.63,-135.08 D4#6.2
Board_0-Net-(D5-A): length 9.4
  Top w0.2: v1(13.89,-110.3) 13.89,-109.8 13.76,-109.68 D5.2 ; R5#4.2 18.89,-114.8 v1(18.39,-114.8)
  Bottom w0.2: v1(13.89,-110.3) v1(18.39,-114.8)
Board_0-Net-(D6-A): length 18.4
  Top w0.2: 31.95,-117.71 31.75,-117.91 31.75,-128.63 34.3,-131.18 36.97,-131.18 R6#8.2
Board_0-Net-(D7-A): length 18.7
  Top w0.2: R7#5.2 51.75,-130.63 52.5,-129.88 55.75,-129.88 57.63,-128.01 D7#4.2
Board_0-Net-(D8-A): length 7.6
  Top w0.2: 1.85,-123.43 R10#2.2 1.3,-122.8 v1(0.64,-122.8) ; v1(-3.86,-122.8) -4.49,-123.43 D8#4.2
  Bottom w0.2: v1(-3.86,-122.8) v1(0.64,-122.8)
Board_0-Net-(D9-A): length 7.8
  Top w0.2: v1(24.89,-122.55) 24.05,-123.39 R11#8.2 23.93,-123.43 ; D9#7.2 30.01,-122.55 v1(29.64,-122.55)
  Bottom w0.2: v1(24.89,-122.55) v1(29.64,-122.55)
Board_0-Net-(D10-A): length 17.1
  Top w0.2: R12#5.2 7.39,-117.01 v1(7.39,-117.05)
  Bottom w0.2: v1(7.39,-117.05) 1.01,-123.43 D10#3.2
Board_0-Net-(D11-A): length 12.5
  Top w0.2: R13#7.2 v1(22.14,-130.55)
  Bottom w0.2: D11#5.2 27.51,-125.18 v1(22.14,-130.55)
Board_0-Net-(JP1-B): length 37.2
  Top w0.2: U1#5.18 48.35,-114.26 ; U1#5.18 45.63,-114.26 v1(44.75,-113.38) ; U1#5.18 46.88,-114.26
  Bottom w0.2: 53.95,-133.53 JP1.2 54.1,-133.53 55.25,-132.38 55.25,-131.38 54.35,-130.48 49.17,-130.48 48.17,-129.48 46.67,-129.48 45.95,-128.77 45.95,-121.91 47.5,-120.36 47.5,-115.63 45.25,-113.38 v1(44.75,-113.38)
Board_0-Net-(U1-PD0): length 16.6
  Top w0.2: R2#4.2 47.18,-106.4 47.18,-107.82 46.37,-108.63 45.66,-108.63 44.88,-109.4 44.88,-110.12 43.37,-111.63 v1(43.25,-111.63) ; v1(43.5,-115.63) 43.4,-115.73 43.4,-116.73 42.63,-117.51 U1#5.8
  Bottom w0.2: v1(43.5,-115.63) 43.25,-115.38 v1(43.25,-111.63)
Board_0-VCC: length 64.3
  Top w0.2: J5#2.1 43.62,-132.75 50.62,-132.75 51.67,-133.79 R7#5.1 R3#3.1 ; J5#2.1 44,-129.58 R9#4.1 ; J5#2.1 40.28,-131.36 37.84,-133.79 R6#8.1 R4#6.1 ; 40.25,-118.38 40.25,-119.38 40.75,-119.88 v1(42.5,-119.88) ; 40.25,-118.38 40.48,-118.16 U1#5.9 ; 40.25,-118.38 39.75,-117.88 39.75,-108.88 40.5,-108.13 40.5,-107.88 41.04,-107.34 ; v1(43.75,-122.63) 43.75,-122.38 43.89,-122.24 C3#5.1 ; R9#4.1 45.75,-126.54 ; R9#4.1 44,-129.28 v1(43,-129.28)
  Bottom w0.2: J4.1 42.64,-105.66 44.73,-105.66 45.5,-104.88 D2#8.2 ; v1(42.5,-119.88) 42.5,-120.88 43.75,-122.13 v1(43.75,-122.63) 43.75,-128.53 v1(43,-129.28)
Board_1-/blue gondeln left: length 33.4
  Top w0.2: D4#5.1 75.79,-135.76 75.56,-135.53 75.56,-133.66 76.21,-133.02 77.86,-133.02 v1(78.96,-131.92) ; U1#2.14 91.45,-116.78 89.92,-116.78 89.77,-116.93 v1(88.72,-116.93)
  Bottom w0.2: v1(78.96,-131.92) 81.87,-131.92 83.92,-129.88 87.42,-129.88 88.27,-129.03 88.27,-117.38 v1(88.72,-116.93)
Board_1-/blue gondeln right: length 32.6
  Top w0.2: U1#2.15 90.51,-116.21 v1(90.43,-116.12) ; v1(98.57,-131.63) 98.57,-131.78 99.8,-133.02 101.12,-133.02 101.92,-133.81 101.92,-136.76 D3#7.1
  Bottom w0.2: v1(98.57,-131.63) 97.82,-130.88 92.92,-130.88 91.92,-129.88 90.42,-129.88 89.47,-128.93 89.47,-121.75 90.67,-120.55 90.67,-116.36 v1(90.43,-116.12)
Board_1-/blue_front: length 42.5
  Top w0.2: J4#2.8 93.34,-110.73 93.34,-116.44 92.27,-117.51 U1#2.13 ; D5#2.1 87.79,-71.26
  Bottom w0.2: J1#7.8 91.34,-99.98 91.34,-89.05 90.27,-87.98 90.27,-81.23 87.79,-78.76 v1(87.79,-71.13)
Board_1-/buzzer: length 31.6
  Top w0.2: v1(90.67,-96.63) 89.37,-96.63 J1#7.3 ; v1(84.77,-118.81) 85.8,-118.81 U1#2.10
  Bottom w0.2: v1(84.77,-118.81) 84.77,-118.03 86.17,-116.63 86.17,-108.58 J4#2.3 ; BZ1#3.1 84.87,-87.58 90.67,-93.38 v1(90.67,-96.63)
Board_1-/GPIO1: length 5.3
  Bottom w0.2: 93.67,-132.23 93.27,-132.23 92.67,-131.63 91.5,-131.63 J5#6.5 ; JP1#3.1 J3#2.2
Board_1-/GPIO2: length 3.1
  Top w0.2: 91.59,-133.53 J5#6.6
  Bottom w0.2: 93.67,-133.53 93.27,-133.53 92.9,-133.9 J5#6.6
Board_1-/LED dish bottom l: length 34.9
  Top w0.2: U1#2.1 86.17,-112.59 86.17,-109.24 86.82,-108.59 88.7,-108.59 J4#2.5
  Bottom w0.2: D10#5.1 80.79,-86.01 89.95,-95.16 J1#7.5
Board_1-/LED dish bottom r: length 32.6
  Top w0.2: U1#2.2 87.19,-113.61 89.27,-111.53 89.92,-111.53 91.2,-110.26 91.2,-108.63 J4#2.7
  Bottom w0.2: D11#6.1 103.04,-84.26 92.49,-94.81 J1#7.7
Board_1-/LED dish top left: length 34.3
  Top w0.2: v1(89.67,-112.13) 89.67,-112.81 90.47,-113.61 U1#2.19 ; D8#5.1 v1(70.67,-87.38)
  Bottom w0.2: v1(89.67,-112.13) 87.42,-109.88 J4#2.4 ; v1(70.67,-87.38) 81.17,-87.38 86.16,-92.37 86.16,-99.88 J1#7.4
Board_1-/LED dish top right: length 32.1
  Top w0.2: v1(91.17,-111.88) 91.17,-112.59 U1#2.20 ; D9.1 v1(106.67,-87.38) ; 90.18,-110.39 90.18,-109.88
  Bottom w0.2: v1(91.17,-111.88) 91.17,-111.1 J4#2.6 ; v1(106.67,-87.38) 103.17,-87.38 94.67,-95.88 94.67,-101.13 93.52,-102.28 91.1,-102.28 J1#7.6
